# Altium PCB 2-quilter-output.pcbdoc (part 5 of 17) (continued)
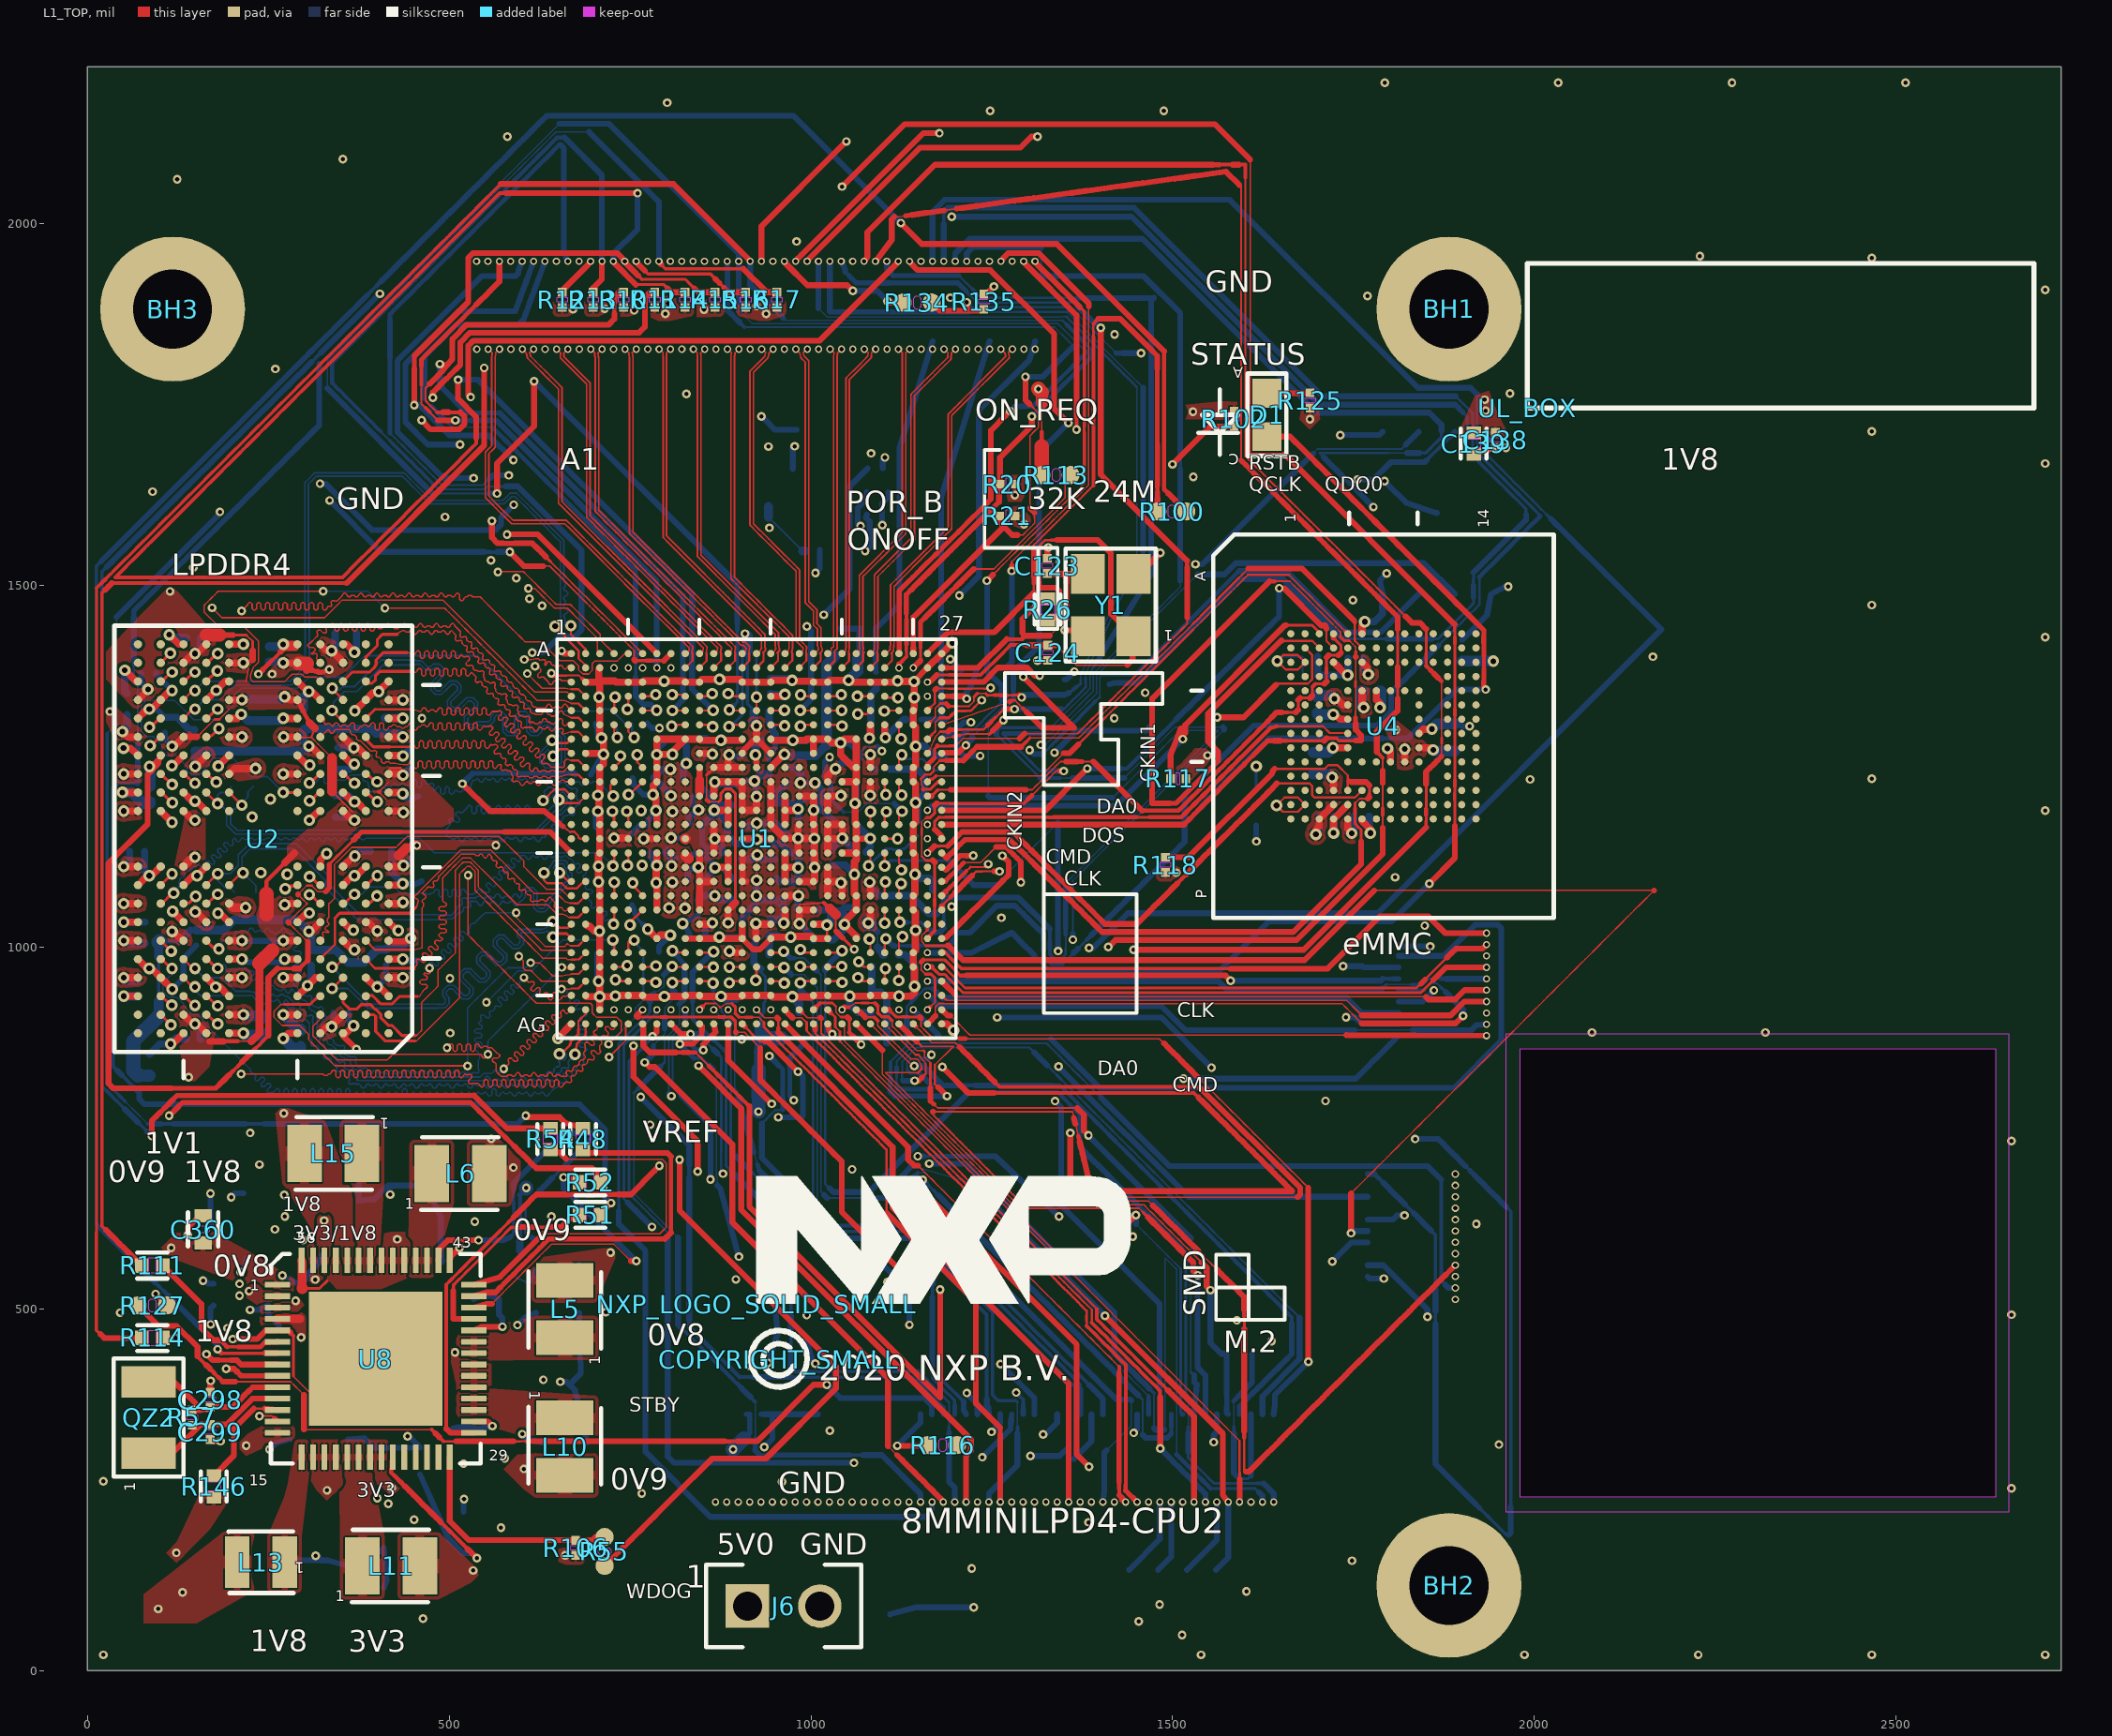
[diagram p0: L1_TOP view]
## Nets (pads, with @x,y where several pads share a name; then routed paths per layer and width w, separated by ;. In a path a pad name is that pad's centre, name@x,y a point inside that pad or via, vN(x,y) a via of type N, cw(c..) or ccw(c..) an arc to the next point about the centre after c; other vN are vias at no path point) (continued)
DRAMB_CA0: U1.W6 U2.H2 | length 744.8
  L1_TOP w3.3: v2(750.19,1030.9) 750.19,1034.26 U1.W6@767.41,1051.48
  L1_TOP w4.1: U2.H2@385.06,1060.33 386.48,1061.75 391.38,1061.75 v4(400.38,1070.75)
  L3_INNER1 w2: v4(400.38,1070.75) 408.43,1070.75 411.41,1073.74 413.59,1073.74 415.63,1075.77 415.63,1076.77 417.66,1078.81 419.67,1078.81 421.7,1076.77 421.7,1070.7 423.74,1068.66 425.74,1068.66 427.78,1070.7 427.78,1071.7 429.81,1073.74 431.82,1073.74 433.85,1075.77 437.86,1075.77 439.89,1073.74 441.9,1073.74 443.93,1071.7 443.93,1070.7 445.97,1068.66 447.97,1068.66 450.01,1070.7 450.01,1076.77 452.04,1078.81 454.05,1078.81 456.08,1076.77 456.08,1070.7 458.12,1068.66 460.12,1068.66 462.16,1070.7 462.16,1076.77 464.2,1078.81 466.2,1078.81 468.23,1076.77 468.23,1070.7 470.27,1068.66 472.27,1068.66 474.31,1070.7 474.31,1076.77 476.35,1078.81 478.35,1078.81 480.39,1076.77 480.39,1070.7 482.42,1068.66 484.42,1068.66 486.46,1070.7 486.46,1076.77 488.5,1078.81 490.5,1078.81 492.54,1076.77 492.54,1070.7 494.57,1068.66 496.58,1068.66 498.61,1070.7 498.61,1076.77 500.65,1078.81 502.65,1078.81 504.69,1076.77 504.69,1070.7 506.73,1068.66 508.73,1068.66 510.76,1070.7 510.76,1076.77 512.8,1078.81 514.8,1078.81 516.84,1076.77 516.84,1070.7 518.88,1068.66 520.88,1068.66 522.91,1070.7 522.91,1076.77 524.95,1078.81 526.95,1078.81 528.99,1076.77 528.99,1070.7 531.03,1068.66 533.03,1068.66 535.07,1070.7 535.07,1076.77 537.1,1078.81 539.1,1078.81 541.14,1076.77 541.14,1070.7 543.18,1068.66 545.18,1068.66 547.22,1070.7 547.22,1076.77 549.25,1078.81 551.26,1078.81 553.29,1076.77 553.29,1070.7 555.33,1068.66 557.33,1068.66 559.37,1070.7 559.37,1076.77 561.41,1078.81 563.41,1078.81 565.44,1076.77 565.44,1070.7 567.48,1068.66 569.48,1068.66 571.52,1070.7 571.52,1076.77 573.56,1078.81 575.56,1078.81 577.6,1076.77 577.6,1070.7 579.63,1068.66 581.63,1068.66 583.67,1070.7 583.67,1076.77 585.71,1078.81 587.71,1078.81 589.75,1076.77 589.75,1070.7 591.78,1068.66 593.78,1068.66 595.82,1070.7 595.82,1076.77 597.86,1078.81 599.86,1078.81 601.9,1076.77 601.9,1070.7 603.93,1068.66 605.94,1068.66 607.97,1070.7 607.97,1076.77 610.01,1078.81 612.01,1078.81 614.05,1076.77 614.05,1070.7 616.09,1068.66 618.09,1068.66 620.12,1070.7 620.12,1071.7 622.16,1073.74 622.96,1072.94 624.37,1071.53 624.37,1068.65 627.2,1065.81 630.08,1065.81 631.5,1064.4 634.38,1064.4 635.09,1065.11 637.97,1065.11 639.38,1063.69 639.38,1060.81 638.68,1060.1 638.68,1057.22 646.95,1057.22 648.95,1057.22 650.99,1059.26 654.99,1059.26 657.03,1057.22 659.03,1057.22 661.07,1059.26 661.07,1060.26 663.11,1062.3 665.11,1062.3 667.14,1060.26 667.14,1054.18 669.18,1052.15 671.18,1052.15 673.22,1054.18 673.22,1060.26 675.26,1062.3 677.26,1062.3 679.3,1060.26 679.3,1054.18 681.33,1052.15 683.33,1052.15 685.37,1054.18 685.37,1060.26 687.41,1062.3 689.41,1062.3 691.45,1060.26 691.45,1054.18 693.48,1052.15 695.49,1052.15 697.52,1054.18 697.52,1060.26 699.56,1062.3 701.56,1062.3 703.6,1060.26 703.6,1054.18 705.63,1052.15 707.64,1052.15 709.67,1054.18 709.67,1060.26 711.71,1062.3 713.71,1062.3 715.75,1060.26 715.75,1054.18 717.79,1052.15 719.79,1052.15 721.82,1054.18 721.82,1055.18 723.86,1057.22 728.77,1052.31 730.18,1050.9 730.18,1048.02 733.02,1045.19 735.9,1045.19 737.31,1043.77 740.19,1043.77 740.9,1044.48 743.78,1044.48 745.2,1043.06 745.2,1040.18 744.49,1039.47 744.49,1036.59 v2(750.19,1030.9)
DRAMB_CA1: U1.V6 U2.J2 | length 697.1
  L1_TOP w3.3: v2(753.89,1088.9) 753.89,1085.28 767.41,1071.76 U1.V6@767.41,1071.16
  L1_TOP w4.1: U2.J2@385.06,1085.92 386.54,1085.92 399.33,1098.72 v4(400.81,1098.72)
  L3_INNER1 w2: v4(400.81,1098.72) 408.86,1098.72 411.21,1101.07 413.25,1103.11 413.25,1104.11 415.28,1106.15 417.29,1106.15 419.32,1104.11 419.32,1098.04 421.36,1096 423.36,1096 425.4,1098.04 425.4,1099.04 427.44,1101.07 429.44,1101.07 431.47,1099.04 435.48,1099.04 437.52,1101.07 439.52,1101.07 445.96,1101.07 448.84,1101.07 449.55,1101.78 452.43,1101.78 453.85,1100.37 453.85,1097.49 449.55,1093.19 449.55,1090.31 450.97,1088.89 453.85,1088.89 454.55,1089.6 457.43,1089.6 458.37,1088.67 460.41,1090.7 460.41,1091.7 462.44,1093.74 464.44,1093.74 466.48,1091.7 466.48,1085.63 468.52,1083.59 470.52,1083.59 472.56,1085.63 472.56,1091.7 474.59,1093.74 476.6,1093.74 478.63,1091.7 478.63,1085.63 480.67,1083.59 482.67,1083.59 484.71,1085.63 484.71,1091.7 486.74,1093.74 488.75,1093.74 490.78,1091.7 490.78,1085.63 492.82,1083.59 494.82,1083.59 496.86,1085.63 496.86,1091.7 498.9,1093.74 500.9,1093.74 502.93,1091.7 502.93,1085.63 504.97,1083.59 506.97,1083.59 509.01,1085.63 509.01,1091.7 511.05,1093.74 513.05,1093.74 515.09,1091.7 515.09,1085.63 517.12,1083.59 519.12,1083.59 521.16,1085.63 521.16,1086.63 523.2,1088.67 525.2,1088.67 527.24,1086.63 531.24,1086.63 533.28,1088.67 535.28,1088.67 537.32,1090.7 537.32,1091.7 539.35,1093.74 541.36,1093.74 543.39,1091.7 543.39,1085.63 545.43,1083.59 547.43,1083.59 549.47,1085.63 549.47,1091.7 551.5,1093.74 553.51,1093.74 555.54,1091.7 555.54,1085.63 557.58,1083.59 559.58,1083.59 561.62,1085.63 561.62,1091.7 563.66,1093.74 565.66,1093.74 567.69,1091.7 567.69,1085.63 569.73,1083.59 571.73,1083.59 573.77,1085.63 573.77,1091.7 575.81,1093.74 577.81,1093.74 579.85,1091.7 579.85,1085.63 581.88,1083.59 583.88,1083.59 585.92,1085.63 585.92,1091.7 587.96,1093.74 589.96,1093.74 592,1091.7 592,1085.63 594.03,1083.59 596.04,1083.59 598.07,1085.63 598.07,1091.7 600.11,1093.74 602.11,1093.74 604.15,1091.7 604.15,1085.63 606.18,1083.59 608.19,1083.59 610.22,1085.63 610.22,1091.7 612.26,1093.74 614.26,1093.74 616.3,1091.7 616.3,1085.63 618.34,1083.59 620.34,1083.59 622.37,1085.63 622.37,1086.63 624.41,1088.67 626.41,1088.67 628.45,1090.7 632.45,1090.7 634.49,1088.67 636.49,1088.67 638.53,1090.7 638.53,1091.7 640.57,1093.74 642.57,1093.74 644.61,1091.7 644.61,1085.63 646.64,1083.59 648.64,1083.59 650.68,1085.63 650.68,1086.63 652.72,1088.67 653.68,1088.67 656.56,1088.67 657.27,1089.37 660.15,1089.37 661.57,1087.96 661.57,1085.08 660.86,1084.37 660.86,1081.49 664.63,1077.72 666.66,1079.76 666.66,1080.76 668.7,1082.8 670.7,1082.8 672.74,1080.76 672.74,1074.68 674.78,1072.65 676.78,1072.65 678.81,1074.68 678.81,1080.76 680.85,1082.8 682.85,1082.8 684.89,1080.76 684.89,1074.68 686.93,1072.65 688.93,1072.65 690.97,1074.68 690.97,1080.76 693,1082.8 695,1082.8 697.04,1080.76 697.04,1074.68 699.08,1072.65 701.08,1072.65 703.12,1074.68 703.12,1075.68 705.15,1077.72 707.16,1077.72 709.19,1075.68 713.2,1075.68 715.23,1077.72 717.24,1077.72 719.27,1075.68 719.27,1074.68 721.31,1072.65 723.31,1072.65 725.35,1074.68 725.35,1075.68 727.38,1077.72 729.39,1077.72 731.42,1075.68 735.43,1075.68 737.46,1077.72 739.47,1077.72 742.7,1077.72 748.19,1083.21 v2(753.89,1088.9)
DRAMB_CA2: U1.AC4 U2.H9 | length 684.9
  L1_TOP w3: U1.AC4@728.04,972.74 744.23,972.74 v2(746.13,974.64)
  L1_TOP w4.1: U2.H9@164.59,1060.33 166.06,1060.33 178.86,1073.13 v2(180.33,1073.13)
  L3_INNER1 w2: v2(180.33,1073.13) 188.39,1073.13 188.52,1073.27 196.28,1073.27 204.04,1073.27 211.8,1073.27 219.56,1073.27 227.32,1073.27 235.08,1073.27 240.25,1068.1 245.41,1062.94 250.57,1057.78 255.74,1052.62 260.9,1047.45 268.21,1047.45 275.52,1047.45 282.83,1047.45 289.11,1053.74 295.39,1060.02 303.58,1060.02 311.76,1060.02 319.94,1060.02 328.12,1060.02 333.5,1054.64 338.89,1049.25 344.27,1043.87 349.65,1038.49 358.34,1038.49 367.02,1038.49 375.71,1038.49 384.39,1038.49 393.07,1038.49 401.76,1038.49 410.44,1038.49 419.13,1038.49 427.81,1038.49 436.5,1038.49 445.18,1038.49 453.86,1038.49 462.55,1038.49 471.23,1038.49 479.92,1038.49 488.6,1038.49 497.28,1038.49 505.97,1038.49 512.09,1032.37 518.21,1026.25 524.32,1020.13 530.44,1014.01 536.56,1007.89 542.68,1001.77 548.8,995.66 554.92,989.54 561.04,983.42 567.15,977.3 573.27,971.18 579.39,965.06 585.51,958.94 591.63,952.83 597.75,946.71 603.81,946.71 609.87,946.71 615.92,946.71 621.53,952.31 627.13,957.92 634.4,957.92 641.67,957.92 648.94,957.92 656.22,957.92 663.49,957.92 669.09,963.52 674.7,969.13 680.3,974.73 685.9,980.33 693.69,980.33 701.48,980.33 709.27,980.33 717.06,980.33 724.85,980.33 732.64,980.33 740.43,980.33 v2(746.13,974.64)
DRAMB_CA3: U1.AD5 U2.H10 | length 715
  L1_TOP w3.3: v2(729.98,954.98) 731.91,953.05 U1.AD5@747.73,953.05
  L1_TOP w4.1: U2.H10@133.09,1060.33 133.78,1061.02 140.63,1061.02 v4(149.89,1070.28)
  L3_INNER1 w2: v4(149.89,1070.28) 157.95,1070.28 163.04,1065.19 168.13,1060.1 175.83,1060.1 183.52,1060.1 189.32,1054.3 195.11,1048.51 200.91,1042.71 209.05,1042.71 217.19,1042.71 222.05,1037.86 226.9,1033.01 234.45,1033.01 242.01,1033.01 249.57,1033.01 257.12,1033.01 264.68,1033.01 272.24,1033.01 277.84,1027.4 283.44,1021.8 289.05,1016.2 294.65,1010.59 300.26,1004.99 308.12,1004.99 315.98,1004.99 323.84,1004.99 331.7,1004.99 339.56,1004.99 345.24,999.3 350.93,993.61 356.62,987.92 362.31,982.24 368,976.55 373.68,970.86 381.32,970.86 388.96,970.86 396.59,970.86 402.84,964.62 409.08,958.38 415.32,952.13 421.56,945.89 429.97,945.89 438.37,945.89 446.78,945.89 455.18,945.89 463.58,945.89 471.99,945.89 477.69,951.59 483.4,957.3 489.1,963 494.8,968.7 503.64,968.7 512.49,968.7 521.33,968.7 530.17,968.7 539.01,968.7 547.85,968.7 556.69,968.7 565.53,968.7 571.6,962.64 577.67,956.57 583.73,950.5 589.8,944.44 595.87,938.37 601.94,932.3 609.87,932.3 617.81,932.3 625.75,932.3 633.69,932.3 641.63,932.3 649.56,932.3 657.5,932.3 665.44,932.3 671.24,938.1 677.04,943.9 682.83,949.7 688.63,955.49 694.43,961.29 700.23,967.09 709.02,967.09 712.23,963.88 715.44,960.67 724.29,960.67 v2(729.98,954.98)
DRAMB_CA4: U1.R4 U2.H11 | length 821
  L1_TOP w3.3: v2(726.52,1112.27) 728.04,1113.79 U1.R4@728.04,1130.22
  L1_TOP w4.1: U2.H11@101.6,1060.33 103.31,1060.33 117.65,1074.67 v2(119.36,1074.67)
  L8_BOT w2: v2(119.36,1074.67) 119.35,1082.72 122.23,1082.72 122.94,1082.01 125.82,1082.01 127.23,1083.42 127.23,1086.3 126.53,1087.01 126.53,1089.89 127.94,1091.31 127.94,1094.19 130.77,1097.02 133.65,1097.02 135.07,1098.44 135.07,1101.32 134.36,1102.02 134.36,1104.9 135.78,1106.32 138.66,1106.32 139.37,1105.61 142.25,1105.61 147.75,1111.12 149.75,1111.12 151.79,1113.15 155.79,1113.15 157.83,1111.12 159.83,1111.12 163.77,1111.12 163.77,1114 163.06,1114.7 163.06,1117.59 164.47,1119 167.35,1119 171.65,1114.7 174.53,1114.7 175.95,1116.12 175.95,1119 171.65,1123.3 171.65,1126.18 173.07,1127.59 175.95,1127.59 180.24,1123.3 183.12,1123.3 184.54,1124.71 184.54,1127.59 180.24,1131.89 180.24,1134.77 181.66,1136.19 184.54,1136.19 188.83,1131.89 191.71,1131.89 193.13,1133.3 193.13,1136.19 188.83,1140.48 188.83,1143.36 190.25,1144.78 193.13,1144.78 197.43,1140.48 200.31,1140.48 201.72,1141.9 201.72,1144.78 201.01,1145.49 201.01,1148.37 203.54,1150.89 205.57,1148.85 205.57,1147.85 207.61,1145.81 209.61,1145.81 211.65,1147.85 211.65,1148.85 213.69,1150.89 215.69,1150.89 217.72,1148.85 221.73,1148.85 223.76,1150.89 225.77,1150.89 227.77,1150.89 229.81,1148.85 233.81,1148.85 235.85,1150.89 237.85,1150.89 239.85,1150.89 241.89,1148.85 245.89,1148.85 247.93,1150.89 249.93,1150.89 251.93,1150.89 253.97,1148.85 257.97,1148.85 260.01,1150.89 262.01,1150.89 264.01,1150.89 266.05,1148.85 270.05,1148.85 272.09,1150.89 274.09,1150.89 276.1,1150.89 278.13,1148.85 282.14,1148.85 284.17,1150.89 286.17,1150.89 288.18,1150.89 290.21,1148.85 294.22,1148.85 296.25,1150.89 298.26,1150.89 300.29,1148.85 300.29,1147.85 302.33,1145.81 304.33,1145.81 306.37,1147.85 306.37,1148.85 308.41,1150.89 310.41,1150.89 312.44,1148.85 316.45,1148.85 318.48,1150.89 320.49,1150.89 322.52,1148.85 322.52,1147.85 324.56,1145.81 326.56,1145.81 328.6,1147.85 328.6,1148.85 330.64,1150.89 332.64,1150.89 334.67,1148.85 338.68,1148.85 340.72,1150.89 342.72,1150.89 344.75,1148.85 344.75,1147.85 346.79,1145.81 348.79,1145.81 350.83,1147.85 350.83,1148.85 352.87,1150.89 354.87,1150.89 356.91,1148.85 360.91,1148.85 362.95,1150.89 364.95,1150.89 366.99,1148.85 366.99,1147.85 369.02,1145.81 371.02,1145.81 373.06,1147.85 373.06,1148.85 375.1,1150.89 377.1,1150.89 379.14,1148.85 383.14,1148.85 385.18,1150.89 387.18,1150.89 395.19,1150.89 403.21,1150.89 411.22,1150.89 419.24,1150.89 427.25,1150.89 435.26,1150.89 443.28,1150.89 451.29,1150.89 459.31,1150.89 464.36,1145.83 469.42,1140.78 474.47,1135.72 479.53,1130.66 488.32,1130.66 497.11,1130.66 505.9,1130.66 514.7,1130.66 523.49,1130.66 532.28,1130.66 541.07,1130.66 549.86,1130.66 558.65,1130.66 567.45,1130.66 576.24,1130.66 585.03,1130.66 593.82,1130.66 602.61,1130.66 611.41,1130.66 620.2,1130.66 628.99,1130.66 637.78,1130.66 646.57,1130.66 655.36,1130.66 664.16,1130.66 672.95,1130.66 681.74,1130.66 690.53,1130.66 699.32,1130.66 708.11,1130.66 714.47,1124.31 720.83,1117.95 v2(726.52,1112.27)
DRAMB_CA5: U1.R5 U2.J11 | length 720
  L1_TOP w3: v2(746.52,1112.9) 747.73,1114.11 U1.R5@747.73,1130.22
  L1_TOP w4.1: U2.J11@101.6,1085.92 v4(117.13,1101.45)
  L3_INNER1 w2: v4(117.13,1101.45) 122.83,1107.15 128.56,1112.87 130.59,1114.9 130.59,1115.91 132.63,1117.94 134.63,1117.94 136.67,1115.91 136.67,1109.83 138.71,1107.79 140.71,1107.79 142.74,1109.83 142.74,1110.83 144.78,1112.87 146.78,1112.87 148.82,1110.83 152.82,1110.83 154.86,1112.87 157.79,1112.87 163.13,1118.21 168.47,1123.55 173.82,1128.89 179.16,1134.23 184.5,1139.58 189.84,1144.92 198.65,1144.92 207.46,1144.92 216.27,1144.92 225.08,1144.92 233.89,1144.92 242.71,1144.92 251.52,1144.92 260.33,1144.92 269.14,1144.92 277.95,1144.92 286.76,1144.92 295.57,1144.92 304.38,1144.92 313.19,1144.92 322,1144.92 330.81,1144.92 339.62,1144.92 348.43,1144.92 357.24,1144.92 366.05,1144.92 374.87,1144.92 383.68,1144.92 392.49,1144.92 401.3,1144.92 407.04,1150.66 415.57,1150.66 424.11,1150.66 432.64,1150.66 441.17,1150.66 449.71,1150.66 458.24,1150.66 466.78,1150.66 475.31,1150.66 483.84,1150.66 492.38,1150.66 500.91,1150.66 509.45,1150.66 515.38,1144.73 521.3,1138.8 527.23,1132.87 533.16,1126.94 542,1126.94 550.84,1126.94 559.69,1126.94 568.53,1126.94 577.37,1126.94 586.21,1126.94 595.05,1126.94 603.9,1126.94 612.74,1126.94 621.58,1126.94 630.42,1126.94 639.26,1126.94 648.11,1126.94 656.95,1126.94 665.79,1126.94 674.63,1126.94 683.47,1126.94 692.32,1126.94 701.16,1126.94 710,1126.94 718.84,1126.94 727.68,1126.94 731.87,1122.76 736.05,1118.58 740.83,1118.58 v2(746.52,1112.9)
DRAMB_CK_C: R9.2 U1.U1 U2.J9 | length 779.8
  L1_TOP w3.3: U2.J9@164.59,1085.92 v2(180.27,1101.6) ; v2(652.84,1102.9) 664.9,1090.84 U1.U1@668.98,1090.84
  L8_BOT w2.3: R9.2@203.56,1075.75 196.41,1082.9 189.89,1082.9 180.27,1092.52 v2(180.27,1101.6) 197.29,1101.6 208.7,1113.01 208.7,1127.94 223.76,1143 288.9,1143 335.89,1096.01 335.89,1085.5 376.4,1045 496,1045 ; 497.17,1045 497.16,1043.9 502.83,1043.91 508.97,1050.04 510.59,1051.67 510.59,1054.76 513.85,1058.01 516.94,1058.01 518.56,1059.64 518.56,1062.73 517.75,1063.54 517.75,1066.63 519.38,1068.26 522.47,1068.26 523.28,1067.44 526.37,1067.44 ; 526.39,1067.46 526.45,1067.52 526.51,1067.58 526.58,1067.63 526.65,1067.68 526.72,1067.73 526.79,1067.78 526.86,1067.82 526.93,1067.86 527.01,1067.9 527.08,1067.94 527.16,1067.97 527.24,1068 527.32,1068.03 527.4,1068.05 527.48,1068.07 527.57,1068.09 527.65,1068.11 527.73,1068.12 527.82,1068.13 527.9,1068.14 527.98,1068.15 528.07,1068.15 534.48,1068.15 536.78,1068.15 538.96,1070.33 543.56,1070.33 545.75,1068.15 548.05,1068.15 550.35,1068.15 552.53,1070.33 557.13,1070.33 559.32,1068.15 561.62,1068.15 563.81,1070.33 563.81,1071.48 565.99,1073.67 568.29,1073.67 570.48,1071.48 570.48,1070.33 572.66,1068.15 574.96,1068.15 577.15,1070.33 581.75,1070.33 583.93,1068.15 586.23,1068.15 588.42,1070.33 588.42,1071.48 590.61,1073.67 592.91,1073.67 595.09,1071.48 595.09,1070.33 597.28,1068.15 600.49,1071.36 600.49,1075.49 600.5,1075.58 600.5,1075.66 600.51,1075.75 600.52,1075.83 600.53,1075.91 600.55,1076 600.57,1076.08 600.59,1076.16 600.62,1076.24 600.65,1076.32 600.68,1076.4 600.72,1076.48 600.75,1076.55 600.79,1076.63 600.83,1076.7 600.88,1076.77 600.93,1076.84 600.97,1076.91 601.03,1076.98 601.08,1077.04 601.14,1077.1 601.2,1077.17 605.82,1081.79 ; 605.83,1081.8 605.9,1081.86 605.96,1081.92 606.03,1081.97 606.09,1082.02 606.16,1082.07 606.23,1082.12 606.3,1082.16 606.38,1082.2 606.45,1082.24 606.53,1082.28 606.61,1082.31 606.69,1082.34 606.77,1082.37 606.85,1082.39 606.93,1082.42 607.01,1082.44 607.09,1082.45 607.18,1082.47 607.26,1082.48 607.35,1082.48 607.43,1082.49 607.51,1082.49 614.71,1082.49 614.79,1082.49 614.88,1082.48 614.96,1082.47 615.05,1082.46 615.13,1082.45 615.21,1082.43 615.3,1082.41 615.38,1082.39 615.46,1082.36 615.54,1082.33 615.62,1082.3 615.69,1082.27 615.77,1082.23 615.84,1082.19 615.92,1082.15 615.99,1082.11 616.06,1082.06 616.13,1082.01 616.19,1081.96 616.26,1081.9 616.32,1081.85 616.38,1081.79 621,1077.17 621.08,1077.09 621.14,1077.02 621.19,1076.96 621.24,1076.89 621.29,1076.82 621.34,1076.75 621.38,1076.68 621.42,1076.61 621.46,1076.53 621.5,1076.45 621.53,1076.38 621.56,1076.3 621.59,1076.22 621.61,1076.14 621.63,1076.05 621.65,1075.97 621.67,1075.89 621.68,1075.81 621.69,1075.72 621.7,1075.64 621.71,1075.55 621.71,1075.47 621.71,1066.24 621.71,1057.02 624.92,1053.81 630.11,1053.81 633.32,1057.02 633.32,1061.15 633.32,1061.23 633.33,1061.32 633.34,1061.4 633.35,1061.49 633.36,1061.57 633.38,1061.65 633.4,1061.74 633.42,1061.82 633.45,1061.9 633.48,1061.98 633.51,1062.06 633.54,1062.13 633.58,1062.21 633.62,1062.28 633.66,1062.36 633.71,1062.43 633.75,1062.5 633.8,1062.57 633.85,1062.63 633.91,1062.7 633.96,1062.76 634.02,1062.82 640.27,1069.07 646.52,1075.32 652.76,1081.56 659.01,1087.81 665.25,1094.05 665.25,1098.63 665.15,1098.63 665.07,1098.64 664.99,1098.65 664.9,1098.66 664.82,1098.68 664.74,1098.69 664.65,1098.72 664.57,1098.74 664.49,1098.77 664.41,1098.8 664.34,1098.83 664.26,1098.86 664.18,1098.9 664.11,1098.94 664.04,1098.99 663.97,1099.03 663.9,1099.08 663.83,1099.13 663.76,1099.18 663.7,1099.24 663.64,1099.3 663.58,1099.36 663.52,1099.42 663.46,1099.48 663.41,1099.55 663.36,1099.62 663.31,1099.68 663.26,1099.76 663.22,1099.83 663.18,1099.9 663.14,1099.98 663.11,1100.05 663.07,1100.13 663.04,1100.21 663.02,1100.29 662.99,1100.37 662.97,1100.45 662.95,1100.54 661.46,1107.66 659.77,1112.05 658.35,1115.06 658.17,1115.24 652.88,1115.24 647.58,1115.24 644.01,1109.65 649,1105.7 v2@653.98,1101.76